# Allegro board LAY-27392_C.brd (continued)
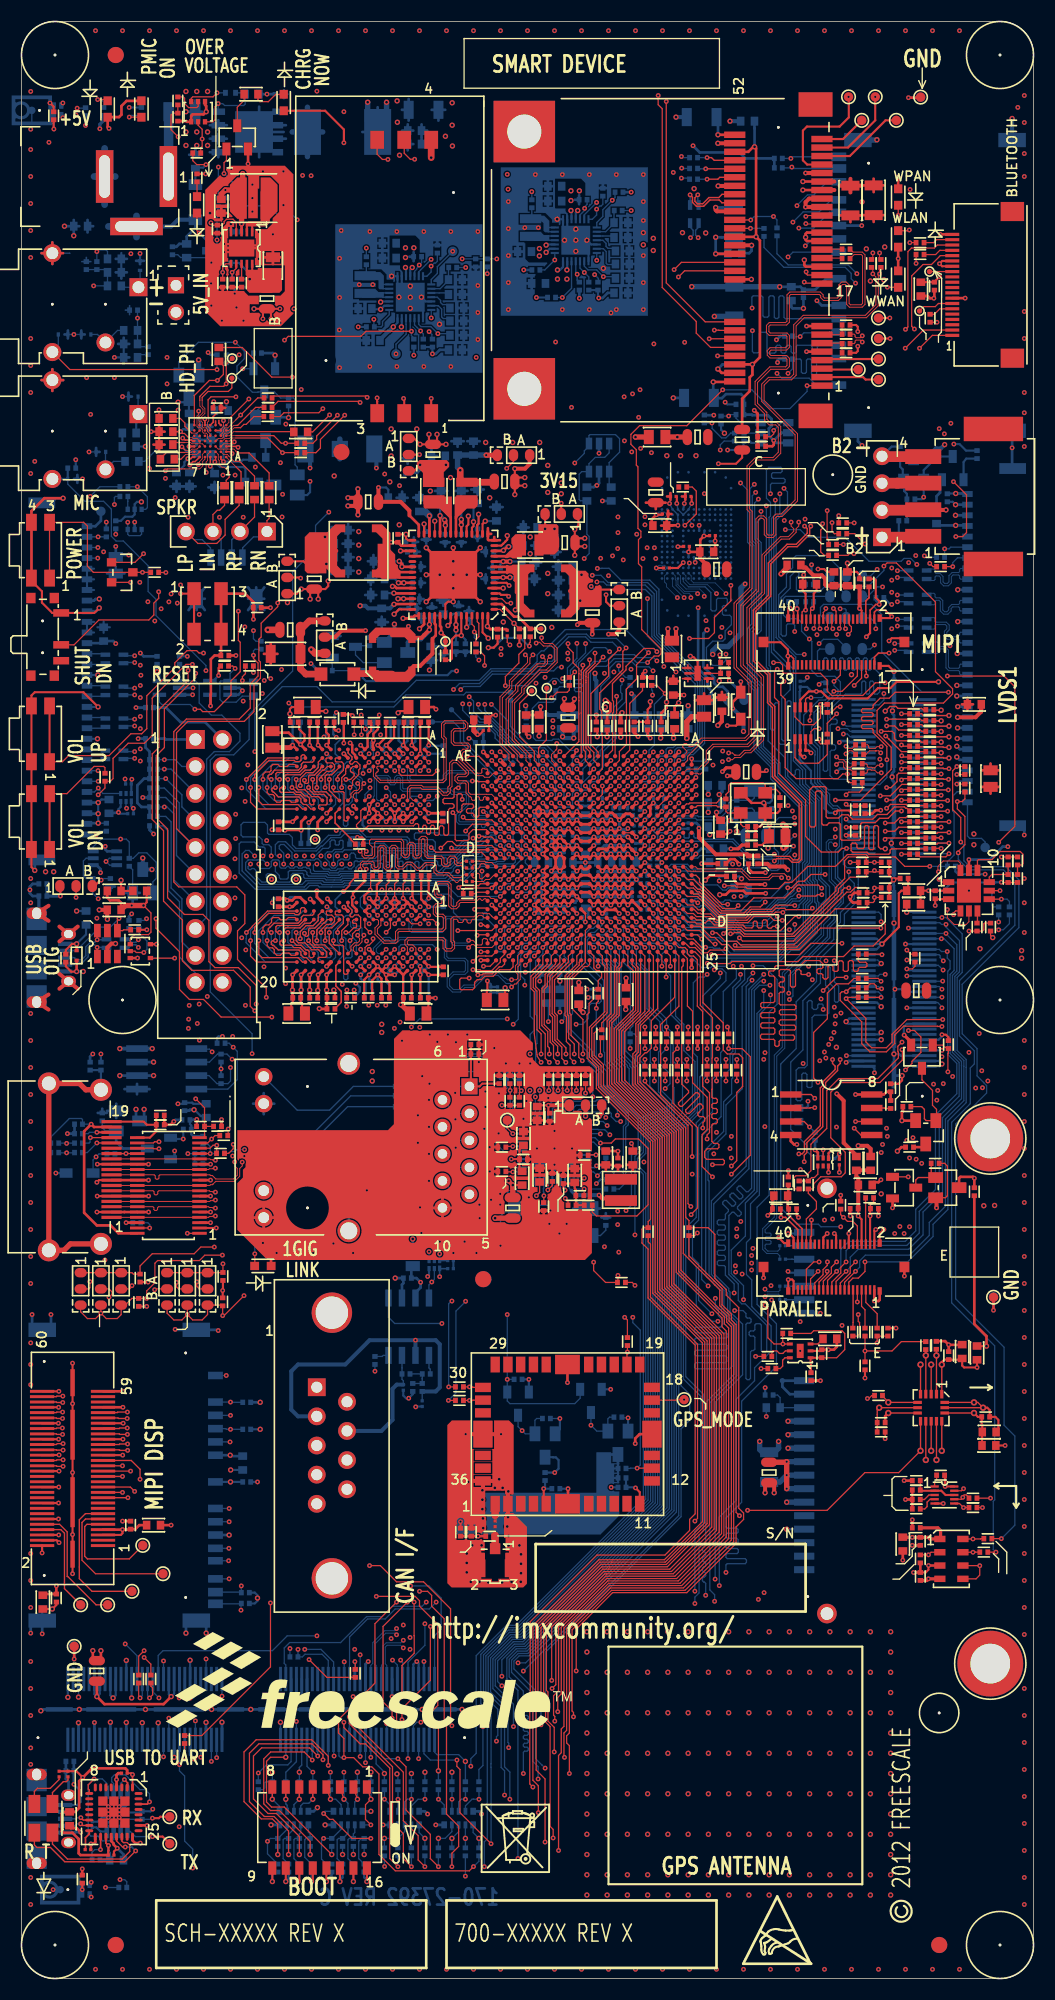
[diagram p0: board, top side]
## Routing (per net, layer and track width the routed paths; a pad name or vN(x,y) marks a point on that pad's centre or on a via; arc(x,y) is an arc through that point) (continued)
  TOP w0.381: 45.78,45.57 U19.2 45.78,43.79 ; C69.2 52.56,91.57 52.56,91.21 v2(52.86,90.91) ; v2(65.33,166.63) 65.33,166.4 65.46,166.27 J1.34 ; J1.37 74.13,167.47 73.79,167.13 v1(73.79,166.67) J1.35 ; v2(56.87,91.19) 56.87,91.9 C68.2 ; v2(8.86,97.38) 8.48,97.38 8.1,97 U12.2 ; J1.40 67.11,168.66 v2(65.56,168.66) ; J1.43 v1(73.79,169.87) ; 43.43,46.25 U19.36 ; U19.36 44.32,46.83 ; U19.36 42.54,46.83 ; C33.2 65.91,118.29 v2(65.53,117.91) ; C118.2 42.34,42.76 ; C118.2 42.74,42.39 ; C118.2 41.95,42.39 ; C32.2 v1(62.34,120.76) ; v2(86.99,138.18) 84.87,138.18 CON2.2 ; v2(88.08,118.67) 89.78,118.67 90.29,119.18 90.29,119.19 90.29,119.23 90.29,119.3 90.31,119.38 90.31,119.4 C34.2 ; J1.50 v2(65.53,172.67) ; v1(41.81,51.23) U19.33 v1(45.14,51.23) ; J1.26 v2(68.7,163.07)
  TOP w0.457: C49.2 23.9,115.82 25.31,115.82 v1(25.53,116.04)
  TOP w0.508: C10.2 v2(17.75,166.1)
  TOP w0.635: CON1.4 v2(38.57,171.32)
  TOP w1.016: CON2.3 82.42,140.7 82.42,140.69 CON3.3 ; CON3.2 84.81,138.15 CON2.2
  L2_GND_1 w0.254: 17.87,98.81 J6.16 ; J6.16 18.92,99.86 ; J6.16 18.92,97.75 ; J6.16 19.98,98.81 ; 18.92,107.91 J6.8 ; J6.8 19.98,108.97 ; J6.8 18.92,110.02 ; J6.8 17.87,108.97 ; 30.65,53.27 J10.6 ; J10.6 30.65,55.28 ; J10.6 31.65,54.28 ; J10.6 29.64,54.28 ; CON3.3 81.98,140.69 ; CON3.3 80.98,141.69 ; CON3.3 79.97,140.69 ; CON3.3 80.98,139.69 ; J6.4 19.98,114.05 ; J6.4 18.92,115.1 ; J6.4 18.92,112.99 ; J6.4 17.87,114.05 ; J6.10 18.92,107.48 ; J6.10 19.98,106.43 ; J6.10 18.92,105.37 ; J6.10 17.87,106.43 ; J7.10 39.62,73.44 ; J7.10 38.7,72.52 ; J7.10 39.62,71.59 ; J7.10 40.55,72.52 ; J7.14 22.81,72.59 ; J7.14 21.82,71.6 ; J7.14 22.81,70.61 ; J7.14 23.8,71.6 ; 18.92,100.29 J6.14 ; J6.14 19.98,101.35 ; J6.14 17.87,101.35 ; J6.14 18.92,102.4 ; J6.12 18.92,104.94 ; J6.12 18.92,102.83 ; J6.12 19.98,103.89 ; J6.12 17.87,103.89 ; J6.18 19.98,96.27 ; J6.18 18.92,95.21 ; J6.18 18.92,97.32 ; J6.18 17.87,96.27 ; J7.12 23.8,82.32 ; J7.12 22.81,83.31 ; J7.12 21.82,82.32 ; J7.12 22.81,81.33 ; J6.20 18.92,94.78 ; J6.20 19.98,93.73 ; J6.20 18.92,92.67 ; J6.20 17.87,93.73 ; CON3.2 80.98,139.15 ; CON3.2 81.98,138.15 ; CON3.2 79.97,138.15 ; CON3.2 80.98,137.15 ; J6.6 18.92,112.56 ; J6.6 17.87,111.51 ; J6.6 19.98,111.51 ; J6.6 18.92,110.45 ; J501.2 14.55,157.7 ; J501.2 15.48,156.77 ; J501.2 14.55,155.84 ; J501.2 13.63,156.77
  L2_GND_1 w0.381: 29.22,60.59 J10.M1 ; J10.M1 27.15,62.66 ; J10.M1 31.29,62.66 ; J10.M1 29.22,64.73 ; 87.9,79.04 BH1.1 ; BH1.1 91.16,75.78 ; BH1.1 94.43,79.04 ; BH1.1 91.16,82.31 ; J10.M2 29.22,39.74 ; J10.M2 31.29,37.67 ; J10.M2 27.15,37.67 ; J10.M2 29.22,35.6 ; 87.9,29.64 BH2.1 ; BH2.1 94.43,29.64 ; BH2.1 91.16,32.91 ; BH2.1 91.16,26.38 ; 27.8,43.67 J10.5 ; J10.5 27.8,45.68 ; J10.5 28.8,44.68 ; J10.5 26.8,44.68
  L2_GND_1 w0.635: P1.2 7.84,172.19 ; P1.2 8.83,169.55 ; P1.2 7.84,166.9 ; P1.2 6.85,169.55 ; 10.84,163.85 P1.3 ; P1.3 13.49,164.84 ; P1.3 8.2,164.84 ; P1.3 10.84,165.84
  L3_INT_1 w0.254: 39.62,71.59 J7.10 ; J7.10 38.7,72.52 ; J7.10 40.55,72.52 ; J7.10 39.62,73.44
  L5_PWR_2 w0.254: J10.6 31.65,54.28 ; J10.6 30.65,53.27 ; J10.6 30.65,55.28 ; J10.6 29.64,54.28
  L5_PWR_2 w0.381: BH2.1 94.43,29.64 ; BH2.1 91.16,32.91 ; BH2.1 87.9,29.64 ; BH2.1 91.16,26.38 ; J10.5 27.8,45.68 ; J10.5 26.8,44.68 ; J10.5 28.8,44.68 ; J10.5 27.8,43.67 ; 29.22,35.6 J10.M2 ; J10.M2 27.15,37.67 ; J10.M2 31.29,37.67 ; J10.M2 29.22,39.74 ; 94.43,79.04 BH1.1 91.16,82.31
  L7_GND_2 w0.254: 21.82,71.6 J7.14 ; J7.14 22.81,72.59 ; J7.14 22.81,70.61 ; J7.14 23.8,71.6 ; J6.16 19.98,98.81 ; J6.16 18.92,99.86 ; J6.16 18.92,97.75 ; J6.16 17.87,98.81 ; 18.92,105.37 J6.10 ; J6.10 18.92,107.48 ; J6.10 19.98,106.43 ; J6.10 17.87,106.43 ; CON3.2 81.98,138.15 ; CON3.2 79.97,138.15 ; CON3.2 80.98,137.15 ; CON3.2 80.98,139.15 ; J6.8 19.98,108.97 ; J6.8 18.92,110.02 ; J6.8 17.87,108.97 ; J6.8 18.92,107.91 ; 18.92,110.45 J6.6 ; J6.6 19.98,111.51 ; J6.6 17.87,111.51 ; J6.6 18.92,112.56 ; J7.10 39.62,73.44 ; J7.10 38.7,72.52 ; J7.10 40.55,72.52 ; J7.10 39.62,71.59 ; 29.64,54.28 J10.6 ; J10.6 30.65,53.27 ; J10.6 31.65,54.28 ; J10.6 30.65,55.28 ; CON3.3 80.98,141.69 ; CON3.3 79.97,140.69 ; CON3.3 80.98,139.69 ; CON3.3 81.98,140.69 ; J6.20 19.98,93.73 ; J6.20 18.92,94.78 ; J6.20 17.87,93.73 ; J6.20 18.92,92.67 ; J7.12 22.81,83.31 ; J7.12 23.8,82.32 ; J7.12 22.81,81.33 ; J7.12 21.82,82.32 ; 17.87,96.27 J6.18 ; J6.18 18.92,97.32 ; J6.18 18.92,95.21 ; J6.18 19.98,96.27 ; J6.12 19.98,103.89 ; J6.12 18.92,102.83 ; J6.12 17.87,103.89 ; J6.12 18.92,104.94 ; J6.14 19.98,101.35 ; J6.14 17.87,101.35 ; J6.14 18.92,102.4 ; J6.14 18.92,100.29 ; J501.2 15.48,156.77 ; J501.2 14.55,155.84 ; J501.2 13.63,156.77 ; J501.2 14.55,157.7 ; J6.4 18.92,115.1 ; J6.4 18.92,112.99 ; J6.4 19.98,114.05 ; J6.4 17.87,114.05
  L7_GND_2 w0.381: 91.16,75.78 BH1.1 ; BH1.1 91.16,82.31 ; BH1.1 94.43,79.04 ; BH1.1 87.9,79.04 ; 91.16,26.38 BH2.1 ; BH2.1 91.16,32.91 ; BH2.1 87.9,29.64 ; BH2.1 94.43,29.64 ; J10.5 28.8,44.68 ; J10.5 26.8,44.68 ; J10.5 27.8,45.68 ; J10.5 27.8,43.67 ; J10.M2 31.29,37.67 ; J10.M2 27.15,37.67 ; J10.M2 29.22,39.74 ; J10.M2 29.22,35.6 ; J10.M1 31.29,62.66 ; J10.M1 27.15,62.66 ; J10.M1 29.22,60.59 ; J10.M1 29.22,64.73
  L7_GND_2 w0.635: P1.3 13.49,164.84 ; P1.3 10.84,165.84 ; P1.3 8.2,164.84 ; P1.3 10.84,163.85 ; 7.84,166.9 P1.2 ; P1.2 7.84,172.19 ; P1.2 8.83,169.55 ; P1.2 6.85,169.55
  BOTTOM w0.076: 60.53,137.48 U512.Y2 60.53,137.97 59.99,137.97 v1(59.74,137.73) 59.99,137.48 60.53,137.48
  BOTTOM w0.119: 3.05,174.62 2.93,174.5 1.11,174.5 0.99,174.62 U501.3 ; C639.2 69.94,110.1 ; 3.05,175.3 U501.2
  BOTTOM w0.127: v4(36.6,157.15) v4(36.6,158.19) ; v4(36.6,158.19) U503.29 v4(35.53,158.19) ; v4(36.6,158.19) v4(37.64,158.19) ; v4(36.6,158.19) v4(36.6,159.23) ; v1(63.07,138.79) U512.AA6 U512.Y5 U512.AA4 v1(61.67,138.79) ; U3.G1 U5.G8 ; v2(69.85,110.62) 69.85,110.2 69.94,110.1 ; J504.60 84.95,100.33 v2(83.3,100.33)
  BOTTOM w0.152: 35.33,160.81 35.56,160.81 35.76,160.6 35.76,160.2 U503.2 ; U502.2 51.33,165.56 51.33,166.01 51.16,166.19 50.92,166.19
  BOTTOM w0.203: R576.2 81,138.18 CON3.2 ; J503.13 v2(7.23,119.65) ; J504.18 83.31,89.84 83.03,89.56 83.03,89.03 83.06,89 v1(83.06,88.77) ; v2(45.52,93.22) 45.52,92.9 45.39,92.77 C727.2 C728.2 ; J504.36 v1(83.31,94.34) ; v1(86.61,88.81) 86.61,88.65 86.31,88.34 J504.12 ; Q517.2 v1(47.75,56.39) R664.2 ; J506.S4 72.27,66.42 v1(72.14,66.55) ; U512.U8 v1(63.78,136.73) ; v1(49.07,109.81) 49.11,109.85 C632.2 ; v1(38.23,66.07) 38.23,66.07 38.36,66.2 U517.3 ; v2(50.41,165.53) U502.1 50.97,164.48 51.1,164.34 v4(51.1,163.55) ; C539.2 18.11,147.56 v1(18.11,148.36) ; v2(34.84,160.17) U503.1 35.4,158.33 v4(35.53,158.19) ; v1(63.47,113.01) 63.49,113.04 R605.2 63.5,113.8 R604.2 ; v1(9.77,112.87) 9.82,112.81 C622.2 ; J508.23 v2(9.88,29.95) ; C743.2 16.18,82.31 16.08,82.42 C742.2 15.26,82.31 v1(14.74,82.31) ; J503.16 v2(7.2,122.65) ; C767.2 7.2,14.78 7.6,15.17 v5(8.2,15.17) ; U512.R10 65.25,135.23 v1(65.28,135.25) ; v4(36.6,159.23) 36.07,159.23 35.8,159.51 U503.2 ; v2(82.1,86.99) 82.58,86.99 82.74,86.84 J504.6 ; v4(52.17,164.59) 51.64,164.59 51.37,164.86 U502.2 ; v1(74.42,128.91) 74.42,129.42 C587.2 ; R630.1 v1(7.49,86.99) ; U502.29 53.37,162.35 U502.15 ; C588.2 72.31,129.47 v2(72.31,128.91) ; J504.24 v1(83.31,91.34) ; C765.2 v1(51.43,46.1) ; U503.29 37.8,156.99 U503.15 ; v1(81.89,129.29) 81.78,129.29 C585.2 ; C763.2 v1(22.23,46.74) ; C558.2 v1(8.89,135.89) ; v1(82.19,93.09) 82.8,93.09 83.06,92.84 J504.30 ; v1(4.95,18.29) 5.59,17.65 5.59,16.64 5.29,16.34 J509.5 ; v1(62.28,133.22) 62.27,133.22 U512.K4 ; C641.2 9.27,109.6 v1(9.14,109.73) 9.14,110.02 9.36,110.24 U514.3 ; C754.2 C753.2 v1(40.65,68.28) ; U521.3 v1(3,8.38) ; v2(2.92,34.78) 2.15,34.78 1.97,34.6 J507.17 ; U502.12 53.61,163.15 v4(53.21,163.55) ; v2(5.21,100.44) 5.21,100.46 5.22,100.45 L519.1 ; C624.2 70.61,110.84 70.39,110.62 v2(69.85,110.62) ; U501.2 3.05,175.32 3.05,174.01 v1(3.07,174.01) ; J506.P12 v2(72.01,42.29) ; 54.61,55.45 v1(55.45,55.45) ; J504.54 v1(83.46,98.84) ; C758.2 36.83,54.99 v1(36.45,54.61) 36.2,54.61 35.94,54.86 C759.2 ; C764.2 v1(55.5,46.23) ; v1(73.94,122.43) 73.94,122.33 73.67,122.06 C602.2 ; C657.2 58.8,108.08 v1(58.67,108.21) ; v1(76.96,77.6) 76.96,77.58 C746.2 ; v1(61.87,108.21) 61.89,108.19 C651.2 ; v1(37.11,53.8) 37.14,53.84 C760.2 ; J506.S1 73.53,70.1 v1(72.14,70.1) ; J504.42 v1(83.31,95.84) ; v4(37.64,158.19) 38.04,157.79 U503.12 ; C750.2 v1(45.08,68.96) ; U512.M7 v1(63.4,133.24) ; v1(18.92,88.65) 18.55,88.65 18.42,88.52 R628.2 ; J503.10 v2(7.17,116.65) ; U512.P5 v1(61.77,134.72) ; J504.48 v1(83.19,97.34)
  BOTTOM w0.216: v2(27.13,93.01) 27.13,92.37 C71.2 ; C733.2 34.65,93.47 34.33,93.79 v1(34.33,94.44) ; C615.2 37.08,116.39 v1(36.73,116.05) ; v1(43.47,115.41) 43.47,116.14 R602.1 ; C613.2 27.13,118.1 v1(27.13,116.04) ; v1(29.63,116.79) 29.35,117.07 29.35,117.7 29.46,117.81 C618.2 29.46,118.9 29.64,119.09 v1(29.64,119.13) ; v1(32.73,94.44) 32.73,94.01 32.92,93.81 32.92,93.15 33.03,93.04 C734.2 ; v1(31.15,118.82) 31.03,118.94 C37.2 ; v1(38.33,116.05) 38.39,115.99 C620.2 ; v1(33.13,116.49) 33.13,118.1 C617.2 ; C621.2 45.87,114.02 v1(45.87,113.81) ; C76.2 38.33,92.38 v1(38.33,94.44) ; C75.2 36.73,92.39 v1(36.73,94.44) ; v1(34.33,116.05) 34.75,116.47 C616.2 ; C737.2 v1(30.61,91.48) ; v1(38.33,101.64) 39.6,101.64 C718.2 ; C614.2 25.53,118 v1(25.53,116.04)
  BOTTOM w0.229: v1(31.2,101.72) 31.13,101.65 31.13,100.98 31.53,100.59 U2.J2 ; v1(35.13,101.64) v1(35.13,100.84) ; v1(30.94,116.26) 31.13,116.06 31.13,115.37 31.53,114.98 U3.J2
  BOTTOM w0.254: v1(4.95,18.29) 4.95,18.29 R677.2 C766.2 ; 46.7,161.9 C520.2 ; C520.2 46.17,162.48 ; C520.2 46.7,163.07 ; C520.2 47.22,162.48 ; RT501.2 41.63,155.19 ; RT501.2 41.11,154.61 ; RT501.2 41.63,154.03 ; RT501.2 42.15,154.61 ; v2(27.86,16.1) 27.51,15.75 RN503.5 ; C669.2 53.07,105.78 v1(53.07,105.01) ; C551.2 41.99,139.97 ; C551.2 41.4,140.49 ; C551.2 40.82,139.97 ; C551.2 41.4,139.45 ; C505.2 37.66,174.45 ; C505.2 38.18,173.86 ; C505.2 37.66,173.28 ; C64.2 24.2,100.84 v1(25.25,100.84) 25.53,100.84 U2.T1 ; C723.2 58.34,100.53 58.08,100.8 58.08,101.24 ; J503.22 7.03,128.65 v2(7.34,128.96) ; 50.53,129.59 C583.2 ; C583.2 50.01,130.18 ; C583.2 50.53,130.76 ; C583.2 51.05,130.18 ; C511.2 34.49,161.87 ; C511.2 33.97,161.29 ; C511.2 33.45,161.87 ; C511.2 33.97,162.46 ; 32.61,133.35 C572.2 ; C572.2 33.65,133.35 ; C572.2 33.13,132.77 ; C572.2 33.13,133.93 ; v2(65.33,166.63) 65.95,166.63 65.95,166.63 C522.2 ; Q510.2 30.04,126.31 ; Q510.2 28.49,126.31 ; Q510.2 29.26,125.77 ; Q510.2 29.26,126.86 ; v1(1.97,32.45) J507.17 1.06,33.7 0.89,33.53 v1(0.89,32.51) ; C594.2 42.12,129.04 ; C594.2 41.7,128.65 ; C594.2 42.54,128.65 ; C601.2 38.53,124.56 ; C601.2 37.95,124.04 ; C601.2 38.53,123.52 ; C601.2 39.12,124.04 ; 38.7,72.52 J7.10 ; J7.10 39.62,73.44 ; J7.10 39.62,71.59 ; J7.10 40.55,72.52 ; 42.34,140.1 C550.2 ; C550.2 43.51,140.1 ; C550.2 42.93,139.57 ; C550.2 42.93,140.62 ; v2(65.53,151.43) 65.96,151.87 C535.2 ; v1(48.27,109.01) 48.4,108.88 C650.2 48.4,108.34 v1(48.27,108.21) 48.4,108.08 C662.2 48.4,107.54 v1(48.27,107.41) ; v1(48.27,109.01) v1(49.07,109.81) v1(48.27,109.81) v1(48.27,109.01) ; R528.2 41.63,157.76 ; R528.2 42.15,157.18 ; R528.2 41.63,156.59 ; R528.2 41.11,157.18 ; J508.30 v2(11.38,24.08) ; v1(1.02,62.48) 1.02,61.21 1.18,61.05 J507.18 2.63,61.05 2.79,61.21 v1(2.79,62.48) ; v2(3.94,139.28) 3.26,139.28 2.83,138.85 J503.S2 ; J502.S2 94.04,108.47 94.36,108.15 v1(94.36,107.59) ; U3.T9 v1(25.53,108.84) 25.52,108.83 C53.2 ; 38.59,142.67 C544.2 ; C544.2 38.59,143.84 ; C544.2 38.07,143.26 ; C544.2 39.11,143.26 ; 36.94,134.75 C565.2 ; C565.2 36.94,135.59 ; C565.2 37.33,135.17 ; C521.2 32.21,157.12 ; C521.2 31.16,157.12 ; C521.2 31.68,157.71 ; C521.2 31.68,156.54 ; RN503.10 v2(23.5,14.47) ; C508.2 33.97,163.86 ; C508.2 33.45,163.27 ; C508.2 34.49,163.27 ; C508.2 33.97,162.69 ; RN501.10 v1(34.04,14.47) ; C744.2 14.5,80.8 v1(14.35,80.64) ; C574.2 51.05,132.84 ; C574.2 50.53,133.43 ; C574.2 50.53,132.26 ; C574.2 50.01,132.84 ; 41.05,144.12 C555.2 ; C555.2 40.46,144.64 ; C555.2 41.63,144.64 ; R725.2 23.67,152.93 v2(23.88,152.73) Q504.2 ; R729.2 43.17,161.04 ; R729.2 42.33,161.04 ; R729.2 42.75,160.65 ; v1(53.07,105.01) 54.21,105.01 C679.2 ; v1(53.07,105.01) C682.2 ; v1(53.07,105.01) 53.07,104.3 C694.2 ; v1(32.73,108.85) 33.13,109.24 U3.G9 33.13,109.24 ; C545.2 36.93,143.04 ; C545.2 36.35,143.56 ; C545.2 35.76,143.04 ; C545.2 36.35,142.52 ; R530.2 57.72,161.32 ; R530.2 56.68,161.32 ; R530.2 57.2,160.73 ; R530.2 57.2,161.9 ; v1(52.27,108.21) 53.04,108.21 C649.2 53.11,108.21 v1(53.87,108.21) v1(54.67,108.21) 54.8,108.08 C660.2 55.33,108.08 v1(55.47,108.21) 55.6,108.08 C659.2 56.13,108.08 v1(56.27,108.21) ; 42.51,135.64 C561.2 ; C561.2 42.93,135.25 ; C561.2 43.35,135.64 ; C562.2 38.52,135.39 ; C562.2 38.1,134.99 ; C562.2 37.68,135.39 ; U5.E1 34.74,109.24 v1(35.13,108.85) 35.53,109.24 U5.D1 ; J500.19 78.71,144.63 v1(79.1,144.25) ; C684.2 60.01,104.75 v1(60.27,105.01) 59.99,105.28 C678.2 ; 22.81,70.61 J7.14 ; J7.14 22.81,72.59 ; J7.14 21.82,71.6 ; J7.14 23.8,71.6 ; R500.2 v1(23.11,177.29) D501.A ; C596.2 38.03,127.98 ; C596.2 37.64,127.56 ; C596.2 37.64,128.4 ; v2(86.99,138.18) 86.98,138.19 C557.2 86.11,139.47 86.44,139.8 86.44,140.84 Q507.2 ; v1(57.87,105.81) 57.78,105.89 C668.2 ; R531.2 41.63,156.54 ; R531.2 42.15,155.96 ; R531.2 41.63,155.37 ; R531.2 41.11,155.96 ; C567.2 50.16,134.75 ; C567.2 50.16,133.7 ; C567.2 49.58,134.22 ; C567.2 50.75,134.22 ; RN500.10 v1(38.99,14.47) ; C589.2 39.7,130.2 ; C589.2 40.28,129.68 ; C589.2 39.7,129.16 ; C589.2 39.12,129.68 ; 45.62,69.92 Y500.4 ; Y500.4 46.98,70.78 ; Y500.4 48.34,69.92 ; Y500.4 46.98,69.05 ; v1(4.34,79.5) SH504.1 C745.2 ; J503.23 6.84,129.65 6.98,129.79 7.33,129.79 7.34,129.79 v2(7.34,129.8) ; v1(56.27,108.21) 56.4,108.08 C658.2 56.93,108.08 v1(57.07,108.21) ; v1(56.27,108.21) v1(56.27,109.01) 56.27,109.1 56.31,109.14 C637.2 ; C529.2 42.01,153.24 ; C529.2 40.97,153.24 ; C529.2 41.49,152.65 ; C529.2 41.49,153.82 ; v2(16.26,20.7) 15.88,21.07 J508.48 ; C573.2 48.92,133.22 ; C573.2 48.4,132.64 ; C573.2 48.4,133.81 ; C573.2 47.88,133.22 ; v1(9.03,12.28) 9.62,11.69 C768.2 ; C661.2 50.8,107.54 v1(50.67,107.41) ; 33.13,109.24 33.14,109.24 v1(33.53,108.85) ; 33.13,109.24 v1(33.53,109.65) ; C761.2 19.75,49.16 v2(19.66,49.25) J507.3 ; 49.54,166.65 C510.2 ; C510.2 50.06,167.23 ; C510.2 49.02,167.23 ; C510.2 49.54,167.82 ; C693.2 58.17,103.71 v1(57.87,103.41) ; R608.2 R609.2 v1(11.43,111.12) ; C652.2 58.42,108.46 v1(58.67,108.21) 58.37,107.91 C655.2 ; v1(63.47,105.81) 63.96,106.3 C673.2 ; R619.2 68.37,102.02 68.2,101.85 67.74,101.85 v1(67.72,101.83) ; 44.67,69.6 C750.2 45.5,69.6 ; v1(14.48,61.09) 14.52,61.05 J507.19 18.46,61.05 18.52,60.98 v1(18.53,60.98) ; 43.69,131.28 C579.2 ; C579.2 43.3,131.7 ; C579.2 43.69,132.12 ; v1(11.2,124.71) 11.51,124.41 C603.2 ; 41.49,157.86 C518.2 ; C518.2 40.97,158.45 ; C518.2 41.49,159.03 ; C518.2 42.01,158.45 ; C575.2 37.98,132.84 ; C575.2 37.59,133.26 ; C575.2 37.59,132.42 ; RN502.10 v2(28.58,14.47) ; v1(49.87,103.41) 50,103.54 C692.2 50.53,103.54 v1(50.67,103.41) 50.8,103.54 C691.2 51.33,103.54 v1(51.47,103.41) 51.6,103.54 C690.2 52.13,103.54 v1(52.27,103.41) ; R559.2 64.28,147.09 v1(65.15,147.09) ; C552.2 39.5,140.49 ; C552.2 40.08,139.97 ; C552.2 39.5,139.45 ; C552.2 38.91,139.97 ; v1(10.39,100.18) 10.13,99.92 R724.2 ; J508.42 v2(14.38,20.83) ; R602.1 43.47,117.05 C619.2 ; C647.2 39.63,108.85 v1(38.33,108.85) ; v1(12.45,107.7) 12.07,108.07 R613.2 ; J508.36 v2(12.88,24.07) ; J508.93 32.38,29.59 v1(32.64,29.85) ; v1(59.47,111.41) 59.47,111.41 C626.2 59.47,110.61 v1(59.47,110.61) 59.21,110.35 C634.2 ; v1(31.62,107.38) 31.61,107.37 31.06,107.37 30.89,107.2 R635.2 ; 47.98,134.82 C568.2 ; C568.2 48.5,135.41 ; C568.2 48.5,134.24 ; C568.2 49.02,134.82 ; v1(83.46,176.96) 84.56,176.96 TP1.1 ; D503.A 16.38,164.72 15.56,163.89 Q503.2 14.87,163.21 14.6,162.93 R524.2 ; C564.2 40.3,135.13 ; C564.2 39.46,135.13 ; C564.2 39.88,134.74 ; v2(66.67,108.97) 66.81,109.11 C648.2 ; 50.53,128.19 C591.2 ; C591.2 51.05,128.78 ; C591.2 50.01,128.78 ; C591.2 50.53,129.36 ; C507.2 50.06,168.63 ; C507.2 49.54,169.22 ; C507.2 49.02,168.63 ; C507.2 49.54,168.05 ; C748.2 55.41,71.62 ; C748.2 54.57,71.62 ; C748.2 54.99,72.02 ; 44.12,138.44 C556.2 ; C556.2 44.7,138.97 ; C556.2 44.7,137.92 ; C556.2 45.29,138.44 ; v1(49.87,101.81) 50,101.94 C707.2 50.53,101.94 v1(50.67,101.81) 50.8,101.94 C706.2 51.33,101.94 v1(51.47,101.81) 51.6,101.94 C705.2 52.13,101.94 v1(52.27,101.81) 52.27,101.43 C719.2 ; 44.33,132.3 C576.2 ; C576.2 43.93,132.72 ; C576.2 44.33,133.13 ; C560.2 30.75,136.86 ; C560.2 30.75,135.69 ; C560.2 31.27,136.27 ; C560.2 30.23,136.27 ; J508.54 v2(17.38,24.11) ; v2(9.27,84.96) U515.6 v2(12.45,84.96) ; 39.25,174.8 C501.2 ; C501.2 38.61,175.82 ; C501.2 39.88,175.82 ; v1(14.43,77.88) 14.43,77.31 14.21,77.09 Q515.2 ; v2(19.73,165.08) 19.73,164.53 C530.2 ; v2(68.7,163.07) 68.7,162.55 68.48,162.33 C516.2 ; v2(48.86,119.67) 48.86,119.66 48.86,119.04 C604.2 ; C569.2 43.69,134.66 ; C569.2 43.69,133.82 ; C569.2 43.3,134.24 ; U2.E2 v1(35.13,100.84) U4.D8 ; C738.1 6.48,86.74 v1(6.73,86.99) ; 47.5,159.49 C526.2 ; C526.2 48.02,158.9 ; C526.2 48.02,160.07 ; 40.47,124.85 C599.2 ; C599.2 41.31,124.85 ; C599.2 40.89,124.45 ; v2(35.18,65.91) C755.2 35.95,65.43 35.81,65.3 U518.2 ; L501.1 6.76,164.87 ; L501.1 6.24,165.46 ; L501.1 6.24,164.29 ; C524.2 v2(73.58,157.14) 72.57,157.14 72.44,157.27 C525.2 ; v1(28.73,108.84) 29.13,109.24 U3.M9 ; R513.2 55.13,168.45 ; R513.2 54.29,168.45 ; R513.2 54.71,168.84 ; J7.12 22.81,83.31 ; J7.12 22.81,81.33 ; J7.12 23.8,82.32 ; J7.12 21.82,82.32 ; 57.06,158.01 C528.2 ; C528.2 57.06,159.18 ; C528.2 56.54,158.6 ; C528.2 57.58,158.6 ; v1(45.59,86.11) 45.59,85.43 C739.2 ; C577.2 31.27,132.46 ; C577.2 30.75,133.05 ; C577.2 30.23,132.46 ; C577.2 30.75,131.88 ; J508.18 v2(8.38,24.13) ; J502.13 v2(88.1,127.67) ; U3.T1 v1(25.53,116.04) ; 47.23,135.94 C559.2 ; C559.2 46.71,136.53 ; C559.2 47.23,137.11 ; C559.2 47.75,136.53 ; 36.88,139.33 C554.2 ; C554.2 38.05,139.33 ; C554.2 37.46,139.86 ; C554.2 37.46,138.81 ; C582.2 37.98,131.32 ; C582.2 37.59,131.74 ; C582.2 37.59,130.9 ; C586.2 37.46,130.21 ; C586.2 37.46,129.37 ; C586.2 37.85,129.79 ; v1(50.17,78.1) 52.24,78.1 ; v1(50.17,78.1) 48.09,78.1 ; v1(50.17,78.1) 50.17,80.18 ; v1(50.17,78.1) 50.17,76.03 ; 33.91,127.1 C595.2 ; C595.2 33.32,127.62 ; C595.2 33.91,128.14 ; C595.2 34.49,127.62 ; v1(36.73,108.85) 36.73,108.85 U3.B9 ; 57.2,161.95 R527.2 ; R527.2 57.72,162.53 ; R527.2 56.68,162.53 ; R527.2 57.2,163.12 ; v2(82.1,122.99) J504.SH8 82.1,119.72 81.96,119.57 v2(81.96,119.27) 81.96,119.01 82.1,118.87 J504.SH7 82.1,113.58 81.93,113.41 v2(81.93,113.06) 81.93,112.76 82.1,112.59 J504.SH6 82.1,107.43 81.85,107.19 v2(81.85,106.82) 81.85,106.55 82.1,106.31 J504.SH5 82.1,103.4 v2(82.07,103.37) 82.07,102.86 82.1,102.84 J504.SH4 v2(82.1,99.31) J504.SH3 82.1,93.29 82.19,93.19 v1(82.19,93.09) 82.19,92.99 82.1,92.9 J504.SH2 v2(82.1,86.99) J504.SH1 82.17,84.96 v2(82.86,84.96) ; 32.36,131.7 C580.2 ; C580.2 32.88,132.28 ; C580.2 33.4,131.7 ; C580.2 32.88,131.11 ; RN500.5 43.05,15.75 43.3,15.5 v1(43.3,15.49) ; 37.2,128.49 C590.2 ; C590.2 37.6,128.91 ; C590.2 37.2,129.32 ; v1(74.85,157.86) 75.3,157.42 J500.3 ; v1(51.47,100.21) 51.33,100.34 C720.2 50.8,100.34 v1(50.67,100.21) 50.53,100.34 C721.2 50,100.34 v1(49.87,100.21) 49.73,100.34 C722.2 49.2,100.34 v1(49.07,100.21) v1(48.27,100.21) v1(48.27,101.01) 48.4,101.14 C715.2 48.4,101.68 v1(48.27,101.81) 48.4,101.94 C708.2 48.4,102.48 v1(48.27,102.61) 48.4,102.74 C696.2 48.4,103.28 v1(48.27,103.41) ; C517.2 57.58,163.8 ; C517.2 57.06,164.39 ; C517.2 57.06,163.22 ; C517.2 56.54,163.8 ; R514.2 39.14,163.48 ; R514.2 39.56,163.09 ; R514.2 38.72,163.09 ; v1(32.73,94.44) 33.13,94.84 U2.G9 v1(33.53,95.24) ; 41.49,159.26 C515.2 ; C515.2 41.49,160.43 ; C515.2 42.01,159.84 ; C515.2 40.97,159.84 ; J508.6 v2(5.38,24.08) ; v1(71.15,152.04) 71.15,152.25 71.27,152.37 R549.2 ; v1(76.96,116.31) 77.09,116.43 77.8,116.43 77.9,116.34 J504.103 ; U513.2 v1(16.15,121.44) ; R667.2 v2(22.48,54.23) ; C625.2 54.9,111.65 v1(55.47,112.21) ; v2(17.4,32.51) 17.4,33.4 17.1,33.7 J507.16 15.66,33.7 15.49,33.53 v2(15.49,32.51) ; 40.98,135.13 C563.2 ; C563.2 41.4,134.74 ; C563.2 41.82,135.13 ; 39.31,124.62 R591.2 ; R591.2 40.15,124.62 ; R591.2 39.73,124.22 ; C592.2 41.15,129.55 ; C592.2 41.57,129.15 ; C592.2 40.73,129.15 ; v1(57.07,106.61) 57.05,106.62 C670.2 56.28,106.62 v1(56.27,106.61) 56.25,106.62 C671.2 55.48,106.62 v1(55.47,106.61) 55.45,106.62 C672.2 54.86,106.62 54.56,106.32 C667.2 ; C593.2 38.63,129.39 ; C593.2 38.21,129 ; C593.2 39.05,129 ; RT500.2 57.2,160.55 ; RT500.2 57.72,159.97 ; RT500.2 57.2,159.38 ; RT500.2 56.68,159.97 ; C570.2 37.47,134.24 ; C570.2 37.08,133.82 ; C570.2 37.08,134.66 ; U507.3 20.42,120.79 v1(20.8,121.17) 20.53,121.44 U507.2 ; 53.19,71.59 Y500.2 ; Y500.2 51.92,72.46 ; Y500.2 54.46,72.46 ; v2(1.84,25.21) 1.97,25.34 J508.SH1 v2(5.46,25.34) J508.SH2 v2(11.68,25.34) J508.SH3 v2(17.91,25.34) J508.SH4 v2(21.59,25.34) J508.SH5 v2(25.4,25.34) J508.SH6 v2(31.62,25.34) J508.SH7 v2(37.72,25.34) J508.SH8 v2(41.47,25.34) ; C681.2 66.76,105.03 66.93,104.86 v1(66.92,104.86) ; U3.M1 v1(28.73,116.04) ; 47.75,131.7 C578.2 ; C578.2 48.8,131.7 ; C578.2 48.27,132.28 ; C578.2 48.27,131.11 ; 32.88,129.59 C584.2 ; C584.2 32.88,130.76 ; C584.2 33.4,130.18 ; C584.2 32.36,130.18 ; R631.2 C741.2 v1(47.88,86.11) ; U3.G1 33.07,115.64 32.92,115.8 32.92,116.28 v1(33.13,116.49) ; C581.2 50.53,132.16 ; C581.2 50.01,131.57 ; C581.2 51.05,131.57 ; C581.2 50.53,130.99 ; C553.2 35.83,139.9 ; C553.2 35.31,139.32 ; C553.2 35.83,138.73 ; C553.2 36.35,139.32 ; J502.22 v2(88.08,118.67) ; C725.2 53.33,100.46 53.11,100.68 C716.2 53.23,100.81 53.67,100.81 v1(53.87,101.01) 54.13,101.27 C714.2 54.41,101.27 v1(54.67,101.01) 54.93,101.27 C713.2 55.21,101.27 v1(55.47,101.01) 55.73,101.27 C712.2 56.01,101.27 v1(56.27,101.01) 56.53,101.27 C711.2 56.81,101.27 v1(57.07,101.01) 57.33,101.27 C710.2 58.05,101.27 58.08,101.24 ; 30.75,134.42 C566.2 ; C566.2 31.27,135 ; C566.2 30.23,135 ; C566.2 30.75,135.59 ; J503.S1 1.44,105.25 1.27,105.08 v2(1.27,104.27) ; C739.2 45.63,85.78 ; C739.2 45.21,85.38 ; C632.2 49.83,109.85 v1(49.87,109.81) 50,109.68 C646.2 50.53,109.68 v1(50.67,109.81) 50.8,109.68 C645.2 51.33,109.68 v1(51.47,109.81) 51.6,109.68 C644.2 52.13,109.68 v1(52.27,109.81) 52.27,109.93 52.66,110.32 C630.2 C629.2 53.43,110.32 53.78,109.97 53.78,109.9 v1(53.87,109.81) 54,109.68 54.53,109.68 v1(54.67,109.81) 54.8,109.68 C643.2 55.3,109.68 55.45,109.52 C638.2 C637.2 ; Q512.1 8.09,106.06 7.9,106.25 v1(7.9,106.53) ; 56.54,165.2 C514.2 ; C514.2 57.06,165.79 ; C514.2 57.58,165.2 ; C514.2 57.06,164.62 ; U513.3 v1(16.12,120.79) ; R658.2 31.87,75.48 ; R658.2 32.27,75.06 ; R658.2 C747.1 v1(32.51,74.17) ; Q512.4 7.09,104.76 7.46,104.39 v1(7.46,104.05) ; J507.6 v2(19.56,41.74) ; 30.75,133.15 C571.2 ; C571.2 30.23,133.73 ; C571.2 30.75,134.32 ; C571.2 31.27,133.73 ; v1(79.07,164.93) J500.6 ; J503.19 7.55,125.65 C598.2 8.65,125.84 v1(8.89,125.6) ; 37.66,173.18 C506.2 38.18,172.59 ; 41.36,124.84 C600.2 ; C600.2 41.78,124.45 ; C600.2 42.2,124.84 ; RN501.5 37.97,15.75 v1(38.23,15.49) ; v1(4.98,30.07) TP26.1 TP508.1 ; 31.93,154.13 C527.2 ; C527.2 32.45,154.71 ; C527.2 32.45,153.54 ; C527.2 32.97,154.13 ; 58.08,101.24 C709.2 ; R624.2 48.78,94.38 v1(48.78,93.85) ; J508.103 v1(34.88,26.54) ; C640.2 58.15,109.3 v1(57.87,109.01) 57.59,109.28 C635.2 C636.2 C637.2 ; J502.19 v2(88.02,121.67) ; U509.5 v1(54.36,143.51) ; C70.2 25.51,92.3 v2(25.51,93.01) ; v1(51.47,106.61) 51.33,106.48 C674.2 50.8,106.48 v1(50.67,106.61) 50.53,106.48 C676.2 50,106.48 v1(49.87,106.61) 49.93,106.67 C664.2 49.93,107.35 v1(49.87,107.41) ; v1(51.47,106.61) 51.65,106.43 C677.2 52.08,106.43 v1(52.27,106.61) 51.93,106.95 C663.2 51.8,106.95 v1(51.47,106.61) ; J508.60 v2(18.88,24.13) ; v1(57.87,103.41) 57.52,103.06 C698.2 57.41,103.06 56.85,103.62 C686.2 56.48,103.62 v1(56.27,103.41) 55.92,103.06 C702.2 55.81,103.06 55.25,103.62 C688.2 54.88,103.62 54.32,103.06 C704.2 54.21,103.06 v1(53.87,103.41) 54.08,103.62 C689.2 54.45,103.62 55.01,103.06 C703.2 55.12,103.06 55.68,103.62 C687.2 56.05,103.62 56.61,103.06 C701.2 56.72,103.06 v1(57.07,103.41) ; v1(57.87,103.41) 57.65,103.62 C685.2 ; v1(57.87,103.41) 58.18,103.1 C695.2 ; v1(35.93,95.24) U4.D1 v1(35.13,94.44) 34.73,94.84 U4.E1 ; v1(17.81,76.63) 17.12,76.63 R656.2 ; v1(9.86,71.13) 10.49,71.13 C749.2 ; v1(9.14,109.73) 9.13,109.71 C631.2 ; v1(76.71,113.54) 77.01,113.84 J504.93 ; J502.23 v2(88.08,117.67) ; J500.18 v1(93.21,144.02) 93.21,142.12 J502.S1 ; 33.93,115.65 U5.F9 ; v1(48.27,106.61) 48.4,106.48 C675.2 48.4,105.94 v1(48.27,105.81) 48.27,105.04 C683.2 ; C523.2 v1(20.08,158.53) ; C546.2 43.13,144.64 ; C546.2 41.96,144.64 ; C546.2 42.54,144.12 ; TP506.1 v1(91.47,62.89) ; C610.2 54.94,119.06 v2(54.94,119.62) ; U510.2 v1(10.67,137.03) ; R571.2 v1(54.67,139.02) ; v1(58.7,123.01) 58.7,122.63 58.91,122.42 R38.2 ; U3.P1 v1(27.13,116.04) ; J508.12 v1(6.88,24.1) ; v1(46.86,86.11) C740.2 ; R646.2 v1(74.68,77.98) ; J502.16 v2(88.05,124.67) ; U3.P9 v1(27.05,108.77) C666.2 ; J508.24 v2(9.88,24.11) ; C537.2 v2(61.34,148.72) ; C729.2 v1(50.67,90.93) ; J502.10 v2(88.1,130.67) ; RN502.5 v2(32.89,15.75)